# KiCad board control.kicad_pcb (continued)
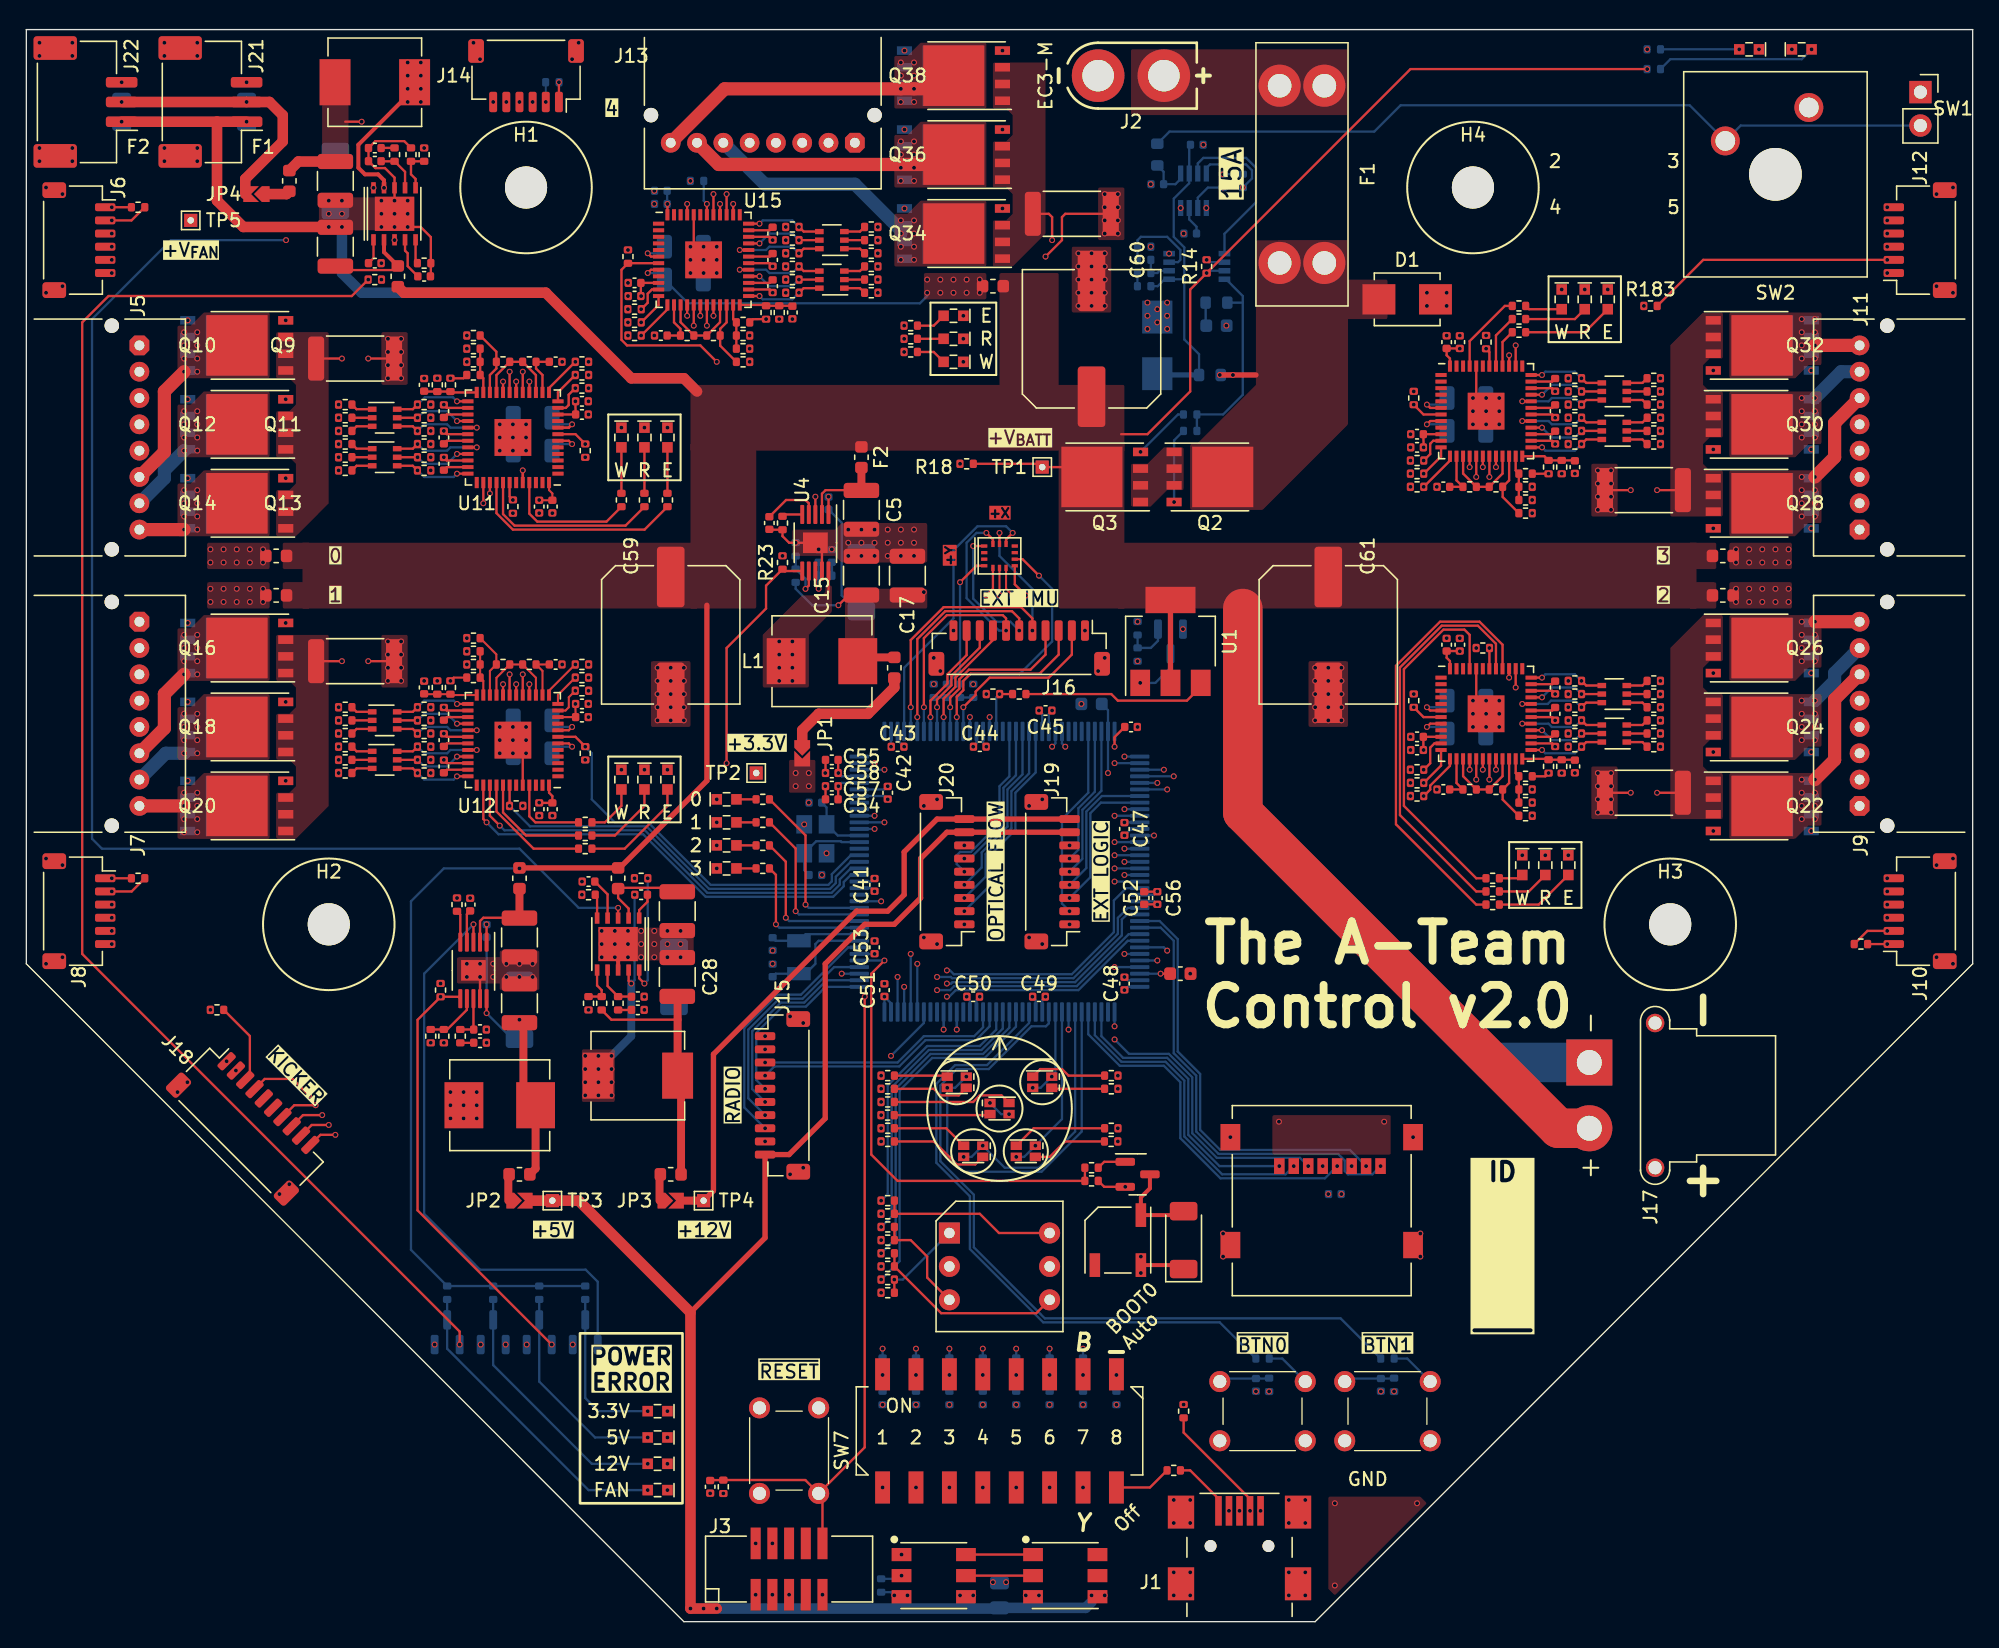
[diagram p0: board, top side]
## Routing (per net, layer and track width the routed paths; a pad name or vN(x,y) marks a point on that pad's centre or on a via; arc(x,y) is an arc through that point) (continued)
Net-(D46C-A): length 1.7
  Top w0.175: D46.3 63.39,105.65 R229.1
Net-(D46C-K): length 5.8
  Top w0.175: U15.36 v1(55.75,106.25) ; R228.1 59.11,105.65 D46.4
  Bottom w0.175: v1(55.75,106.25) 56,106.5 58.25,106.5 v1(58.75,106)
Net-(D47A-A): length 1.7
  Top w0.175: R234.1 63.39,101.35 D47.1
Net-(D47A-K): length 5.8
  Top w0.175: U15.25 v1(55.75,100.75) ; D47.6 59.11,101.35 R235.1
  Bottom w0.175: v1(55.75,100.75) 56,100.5 58.25,100.5 v1(58.75,101)
Net-(D47B-A): length 1.5
  Top w0.175: D47.2 R237.1
Net-(D47B-K): length 5.9
  Top w0.175: U15.28 v1(55.75,102.25) ; D47.5 R236.1
  Bottom w0.175: v1(58.75,102) 58.25,101.5 56.5,101.5 v1(55.75,102.25)
Net-(D47C-A): length 1.7
  Top w0.175: R230.1 63.39,102.65 D47.3
Net-(D47C-K): length 7.2
  Top w0.175: R231.1 59.11,102.65 D47.4 ; U15.29 v1(54.25,102.75)
  Bottom w0.175: v1(54.25,102.75) 56.25,102.75 56.5,102.5 58.25,102.5 v1(58.75,103)
Net-(JP1-A): length 10
  Top w0.8: JP1.1 59,67.75 60.25,69 64,69 66,71 F4.2
Net-(JP2-A): length 2
  Top w0.6: F5.2 36.65,33.94 JP2.1
Net-(JP3-A): length 2
  Top w0.6: JP3.1 48.15,33.94 F8.2
Net-(JP4-A): length 1.7
  Top w0.8: JP4.1 19.79,108.5 F9.2
Net-(Q1-D): length 3.8
  Bottom w0.175: Q1.3 87,72.5 85.85,71.35 v1(84.7,71.35)
Net-(Q1-G): length 3.6
  Bottom w0.175: Q1.1 86.05,74.55 85.51,74.01 R2.1 R3.1
Net-(Q2-G): length 5.7
  Bottom w0.175: v1(87.28,85.09) 87.28,89.78 R12.1
Net-(Q3-G): length 4.4
  Bottom w0.175: v1(84.72,88.91) 87.57,91.75 R13.2
Net-(Q4-G): length 2.2
  Top w0.175: Q4.1 81.96,34.95 R40.2
Net-(Q9-G): length 23.9
  In1.Cu w0.175: v1(30.75,92.5) 30.25,93 24.25,93 v1(23.75,92.5) 20.5,95.75 20.5,99 20,99.5 12.87,99.5 v1(12.27,98.91)
Net-(Q10-G): length 16.5
  In1.Cu w0.175: v1(19.73,98.91) 19.73,95.53 v1(23.75,91.5) 24.25,92 30.25,92 v1(30.75,91.5)
Net-(Q11-G): length 20.4
  In1.Cu w0.175: v1(30.75,90.5) 30.25,91 24.25,91 v1(23.75,90.5) 20.75,93.5 12.87,93.5 v1(12.27,92.91)
Net-(Q12-G): length 12.8
  In1.Cu w0.175: v1(19.73,92.91) 20.34,92.91 v1(23.75,89.5) 24.25,89 30.25,89 v1(30.75,89.5)
Net-(Q13-G): length 19.5
  In1.Cu w0.175: v1(30.75,88.5) 30.25,88 24.25,88 v1(23.75,88.5) 22.75,87.5 12.87,87.5 v1(12.27,86.91)
Net-(Q14-G): length 11.7
  In1.Cu w0.175: v1(30.75,87.5) 30.25,87 24.25,87 v1(23.75,87.5) 23.16,86.91 v1(19.73,86.91)
Net-(Q15-G): length 24.2
  In1.Cu w0.175: v1(30.75,69.5) 30.25,70 24.25,70 v1(23.75,69.5) 23.25,69.5 20.5,72.25 20.5,76 20,76.5 12.87,76.5 v1(12.27,75.91)
Net-(Q16-G): length 16.8
  In1.Cu w0.175: v1(19.73,75.91) 19.73,72.03 23.25,68.5 v1(23.75,68.5) 24.25,69 30.25,69 v1(30.75,68.5)
Net-(Q17-G): length 20.4
  In1.Cu w0.175: v1(30.75,67.5) 30.25,68 24.25,68 v1(23.75,67.5) 23.25,67.5 20.25,70.5 12.87,70.5 v1(12.27,69.91)
Net-(Q18-G): length 12.8
  In1.Cu w0.175: v1(19.73,69.91) 23.13,66.5 v1(23.75,66.5) 24.25,66 30.25,66 v1(30.75,66.5)
Net-(Q19-G): length 19.5
  In1.Cu w0.175: v1(12.27,63.91) 12.87,64.5 22.75,64.5 v1(23.75,65.5) 24.25,65 30.25,65 v1(30.75,65.5)
Net-(Q20-G): length 11.7
  In1.Cu w0.175: v1(30.75,64.5) 30.25,64 24.25,64 v1(23.75,64.5) 23.25,64 19.82,64 v1(19.73,63.91)
Net-(Q21-G): length 23.9
  In1.Cu w0.175: v1(117.25,66.5) 117.75,66 123.75,66 v1(124.25,66.5) 127.75,63 127.75,59.75 128,59.5 135.13,59.5 v1(135.72,60.09)
Net-(Q22-G): length 16.5
  In1.Cu w0.175: v1(117.25,67.5) 117.75,67 123.75,67 v1(124.25,67.5) 128.28,63.47 v1(128.28,60.09)
Net-(Q23-G): length 20.4
  In1.Cu w0.175: v1(117.25,68.5) 117.75,68 123.75,68 v1(124.25,68.5) 127.25,65.5 135.13,65.5 v1(135.72,66.09)
Net-(Q24-G): length 12.8
  In1.Cu w0.175: v1(117.25,69.5) 117.75,70 123.75,70 v1(124.25,69.5) 127.66,66.09 v1(128.28,66.09)
Net-(Q25-G): length 19.5
  In1.Cu w0.175: v1(135.72,72.09) 134.13,70.5 v1(124.25,70.5) 123.75,71 117.75,71 v1(117.25,70.5)
Net-(Q26-G): length 11.7
  In1.Cu w0.175: v1(128.28,72.09) 127.68,71.5 v1(124.25,71.5) 123.75,72 117.75,72 v1(117.25,71.5)
Net-(Q27-G): length 23.9
  In1.Cu w0.175: v1(135.72,83.09) 135.13,82.5 128,82.5 127.25,83.25 127.25,86.5 v1(124.25,89.5) 123.75,89 117.75,89 v1(117.25,89.5)
Net-(Q28-G): length 16.5
  In1.Cu w0.175: v1(128.28,83.09) 128.28,86.47 v1(124.25,90.5) 123.75,90 117.75,90 v1(117.25,90.5)
Net-(Q29-G): length 20.4
  In1.Cu w0.175: v1(135.72,89.09) 135.13,88.5 128,88.5 125,91.5 v1(124.25,91.5) 123.75,91 117.75,91 v1(117.25,91.5)
Net-(Q30-G): length 12.8
  In1.Cu w0.175: v1(117.25,92.5) 117.75,93 123.75,93 v1(124.25,92.5) 124.87,92.5 v1(128.28,89.09)
Net-(Q31-G): length 19.5
  In1.Cu w0.175: v1(135.72,95.09) 134.13,93.5 v1(124.25,93.5) 123.75,94 117.75,94 v1(117.25,93.5)
Net-(Q32-G): length 11.7
  In1.Cu w0.175: v1(117.25,94.5) 117.75,95 123.75,95 v1(124.25,94.5) 124.84,95.09 v1(128.28,95.09)
Net-(Q33-G): length 14.7
  In1.Cu w0.175: v1(66.78,107.41) 66.66,107.41 65.85,106.6 65.85,102.09 R234.2 ; v1(64.75,101) 64.25,100.5 58.25,100.5 v1(57.75,101)
Net-(Q34-G): length 19.1
  In1.Cu w0.175: v1(64.75,102) 64.25,101.5 58.25,101.5 v1(57.75,102)
  In4.Cu w0.175: v1(64.75,102) 67.5,102 72.91,107.41 v1(74.22,107.41)
Net-(Q35-G): length 18.7
  In1.Cu w0.175: v1(57.75,103) 58.25,102.5 64.25,102.5 v1(64.75,103) 65.55,103.8 65.55,112.3 66.66,113.41 v1(66.78,113.41)
Net-(Q36-G): length 24.3
  In1.Cu w0.175: v1(57.75,104) 58.25,104.5 64.25,104.5 v1(64.75,104)
  In4.Cu w0.175: v1(74.22,113.41) 74.22,109.22 67.75,102.75 66,102.75 v1(64.75,104)
Net-(Q37-G): length 22.7
  In1.Cu w0.175: v1(57.75,105) 58.25,105.5 64.25,105.5 v1(64.75,105) 65.25,105.5 65.25,112.43 66,113.18 66,118.75 66.66,119.41 v1(66.78,119.41)
Net-(Q38-G): length 25.3
  In1.Cu w0.175: v1(64.75,106) 64.25,106.5 58.25,106.5 v1(57.75,106)
  In4.Cu w0.175: v1(64.75,106) 64.75,106.25 67,108.5 68,108.5 73.25,113.75 73.25,118.43 v1(74.22,119.41)
Net-(R7-Pad2): length 1
  Bottom w0.175: R8.1 R7.2
Net-(R11-Pad2): length 60.8
  Bottom w0.175: SW1.2 130.36,113.71 SW2.2 126.48,115.25 104.5,115.25 102.5,113.25 86.92,113.25 R11.2
Net-(R66-Pad2): length 6.7
  Top w0.175: R66.2 v1(66,26) R71.1
  Bottom w0.175: v1(66,26) 66.65,26 SW3.1
Net-(R67-Pad1): length 3.5
  Bottom w0.175: R67.1 95.5,20 SW4.2
Net-(R73-Pad1): length 3.5
  Bottom w0.175: SW5.2 105,20 R73.1
Net-(R74-Pad1): length 4.4
  Top w0.175: SW6.8 85.44,10.2 R74.1
Net-(R76-Pad2): length 1.5
  Bottom w0.175: R76.2 R83.1
  vias: v1(65.11,18.75)
Net-(R77-Pad2): length 1.5
  Bottom w0.175: R77.2 R84.1
  vias: v1(67.65,18.75)
Net-(R78-Pad2): length 1.5
  Bottom w0.175: R78.2 R85.1
  vias: v1(70.19,18.75)
Net-(R79-Pad2): length 1.5
  Bottom w0.175: R79.2 R86.1
  vias: v1(72.73,18.75)
Net-(R80-Pad2): length 1.5
  Bottom w0.175: R80.2 R87.1
  vias: v1(75.27,18.75)
Net-(R81-Pad2): length 1.5
  Bottom w0.175: R81.2 R88.1
  vias: v1(77.81,18.75)
Net-(R82-Pad2): length 1.5
  Bottom w0.175: R82.2 R89.1
  vias: v1(80.35,18.75)
Net-(SW3-2): length 14.7
  Top w0.175: SW3.4 76.8,23.45 69.56,23.45 R65.2 R70.1
Net-(SW3-4): length 8
  Top w0.175: SW3.3 68.5,26.15 68.5,27.75 67.25,29 R64.2 R69.1
Net-(SW3-8): length 13.4
  Top w0.175: SW3.6 73.96,29.54 72.5,31 R63.2 R68.1
Net-(U1-OUT): length 14.2
  Top w0.175: R4.1 82.5,70.5 83,70 88.25,70 89.3,71.05 U1.3
Net-(U2-GATE): length 16
  Bottom w0.175: U2.8 91.22,102.03 92.5,100.75 92.5,100.25 ; R15.1 92.5,100.25 ; 92.5,100.25 92.5,93.25 91,91.75 R13.1 R12.2
Net-(U2-OV): length 7
  Bottom w0.175: R9.2 R10.1 84.49,104.99 84.75,105.25 86.75,105.25 87.75,104.25 87.75,103.5 87.58,103.33 U2.3
Net-(U2-UV): length 2.5
  Bottom w0.175: U2.2 86.17,102.67 86,102.5 R8.2 R9.1
Net-(U2-~{SHDN}): length 13.2
  Bottom w0.175: U3.7 89.08,110.83 89.5,111.25 92.75,111.25 93.5,110.5 93.5,107.88 91.11,105.48 U2.5
Net-(U3-TMR): length 2.2
  Bottom w0.175: U3.3 88.42,106.58 88.98,106.02 C3.1
Net-(U3-~{PB}): length 3.5
  Bottom w0.175: U3.5 87.78,109.65 87.38,109.25 C2.1 86.48,110.19 R11.1
Net-(U4-BOOT): length 1.3
  Top w0.175: v1(61,85.5) U4.1
Net-(U4-COMP): length 3.5
  Top w0.175: v1(60.25,78.5) 60,78.75 U4.8
  Bottom w0.175: C7.1 60.24,80.51 R19.1 60.24,78.51 v1(60.25,78.5)
Net-(U4-RT/CLK): length 1.6
  Top w0.175: U4.5 57.64,84.15 R21.1
Net-(U4-SS/TR): length 4.5
  Top w0.175: U4.4 59.5,85 59.25,85.25 57.77,85.25 C11.1
Net-(U4-VIN): length 6.4
  Top w0.175: C5.1 63.47,86 60.78,86 60.5,85.72 U4.2
  Top w0.6: F2.1 C5.1
Net-(U4-VSENSE): length 4.3
  Top w0.175: v1(59.25,78.49) 59.5,78.74 U4.7
  Bottom w0.175: v1(59.25,78.49) 59.25,79.26 R25.2 R26.1
Net-(U5-BOOT): length 1.3
  Top w0.175: U5.1 v1(35,53)
Net-(U5-COMP): length 3.4
  Top w0.175: R20.1 34.01,45.01 C8.1 34,45.02 U5.8
Net-(U5-RT/CLK): length 2.4
  Top w0.175: U5.5 33,53.74 R22.1
Net-(U5-SS/TR): length 2.5
  Top w0.175: C12.1 33.5,53.77 U5.4
Net-(U5-VIN): length 7
  Top w0.175: U5.2 34.5,53.25 34.75,53.5 37.47,53.5 C6.1
  Top w0.6: C6.1 F3.1
Net-(U5-VSENSE): length 4.2
  Top w0.175: R28.1 R27.2 32.01,45.01 33.5,46.5 U5.7
Net-(U6-BOOT): length 2
  Top w0.175: C26.1 47.23,54.71 46.6,54.08 U6.1
Net-(U6-COMP): length 3.4
  Top w0.175: C20.1 46.01,47.51 R29.1 44.2,48.31 U6.7
Net-(U6-FB): length 3.2
  Top w0.175: U6.6 43.4,48.35 43.75,48 R35.2 R36.1
Net-(U6-RT/CLK): length 1.8
  Top w0.175: R31.1 43.4,55.11 U6.5
Net-(U6-SS/TR): length 3.2
  Top w0.175: C24.1 44.2,55.28 U6.4
Net-(U6-VIN): length 7.3
  Top w0.175: U6.2 45.8,54.2 45,55 45,55.75 ; C18.1 49.2,55.77 45.06,55.77 F6.1
Net-(U7-BOOT): length 1.9
  Top w0.175: U7.1 26.4,103.63 C27.1
Net-(U7-COMP): length 3.4
  Top w0.175: C21.1 26.99,110.99 R30.1 28.8,110.19 U7.7
Net-(U7-FB): length 3.2
  Top w0.175: U7.6 29.6,109.65 29.25,110 R38.1 R37.2
Net-(U7-RT/CLK): length 1.8
  Top w0.175: R32.1 29.6,103.39 U7.5
Net-(U7-SS/TR): length 3.2
  Top w0.175: U7.4 28.8,104.2 29,104 29,103.02 C25.1
Net-(U7-VIN): length 7.4
  Top w0.175: F7.1 27.94,102.73 23.8,102.73 C19.1
  Top w0.3: U7.2 27.2,104.09 F7.1
Net-(U8-CKO): length 5.1
  Top w0.175: U8.5 U9.2
Net-(U8-SDO): length 5.1
  Top w0.175: U9.1 U8.6
Net-(U10A-PH0/OSC_IN): length 6.4
  Bottom w0.175: U10.23 62,59.25 61.94,59.31 60.06,59.31 Y1.3 59.15,57.12 C37.1
Net-(U10A-PH1/OSC_OUT): length 4.6
  Bottom w0.175: U10.24 61.7,59.75 Y1.1 60.85,61.88 C35.1
Net-(U10C-PC14/OSC32_IN): length 8.6
  Bottom w0.175: C38.1 56.98,49.25 Y2.1 59.25,49.25 60,50 60,51.5 60.25,51.75 U10.8
Net-(U10C-PC15/OSC32_OUT): length 6.9
  Bottom w0.175: U10.9 59.25,52.25 Y2.2 56.98,51.75 C39.1
Net-(U11A-VREG12): length 2.9
  Top w0.175: U11.6 41.25,89.75 v1(41.5,89.5)
  Bottom w0.175: v1(41.5,89.5) 40.47,89.5 C67.1
Net-(U11C-VBOOTU): length 1.9
  Top w0.175: U11.35 31.98,87.75 C68.1
Net-(U11C-VBOOTV): length 1.9
  Top w0.175: C69.1 31.98,89.75 U11.31
Net-(U11C-VBOOTW): length 1.9
  Top w0.175: U11.27 31.98,91.75 C70.1
Net-(U11D-OP1N): length 5
  Top w0.175: U11.22 35.25,94.75 35.74,95.24 R104.1 35.74,96.52 R103.2
Net-(U11D-OP1P): length 3.4
  Top w0.175: R102.1 R101.2 R100.2 34.75,94.51 U11.23
Net-(U11E-OC_COMP): length 4
  Top w0.175: U11.24 32.31,93.42 R119.2 R120.2 30.28,93.49 C72.1
Net-(U12A-VREG12): length 2.9
  Top w0.175: v1(41.5,66.5) 41.25,66.75 U12.6
  Bottom w0.175: C78.1 40.47,66.5 v1(41.5,66.5)
Net-(U12C-VBOOTU): length 1.9
  Top w0.175: C79.1 31.98,64.75 U12.35
Net-(U12C-VBOOTV): length 1.9
  Top w0.175: U12.31 31.98,66.75 C80.1
Net-(U12C-VBOOTW): length 1.9
  Top w0.175: U12.27 31.98,68.75 C81.1
Net-(U12D-OP1N): length 5
  Top w0.153: U12.22 35.25,72.26 R134.1 35.74,73.52 R133.2
Net-(U12D-OP1P): length 3.4
  Top w0.153: R132.1 R131.2 R130.2 34.75,71.51 U12.23
Net-(U12E-OC_COMP): length 4
  Top w0.153: C83.1 30.28,70.49 R150.2 R149.2 32.31,70.42 U12.24
Net-(U13A-VREG12): length 2.9
  Top w0.175: U13.6 106.75,69.25 v1(106.5,69.5)
  Bottom w0.175: v1(106.5,69.5) 107.53,69.5 C89.1
Net-(U13C-VBOOTU): length 1.9
  Top w0.175: C90.1 116.02,71.25 U13.35
Net-(U13C-VBOOTV): length 1.9
  Top w0.175: C91.1 116.02,69.25 U13.31
Net-(U13C-VBOOTW): length 1.9
  Top w0.175: C92.1 116.02,67.25 U13.27
Net-(U13D-OP1N): length 5
  Top w0.175: U13.22 112.75,63.74 R164.1 112.26,62.48 R163.2
Net-(U13D-OP1P): length 3.4
  Top w0.175: R162.1 R161.2 R160.2 113.25,64.49 U13.23
Net-(U13E-OC_COMP): length 4
  Top w0.175: C94.1 117.72,65.51 R180.2 R179.2 115.69,65.58 U13.24
Net-(U14A-VREG12): length 2.9
  Top w0.175: v1(106.5,92.5) 106.75,92.25 U14.6
  Bottom w0.175: C100.1 107.53,92.5 v1(106.5,92.5)
Net-(U14C-VBOOTU): length 1.9
  Top w0.175: C101.1 116.02,94.25 U14.35
Net-(U14C-VBOOTV): length 1.9
  Top w0.175: C102.1 116.02,92.25 U14.31
Net-(U14C-VBOOTW): length 1.9
  Top w0.175: U14.27 116.02,90.25 C103.1
Net-(U14D-OP1N): length 5
  Top w0.175: U14.22 112.75,86.74 R194.1 112.26,85.48 R193.2
Net-(U14D-OP1P): length 3.4
  Top w0.175: R192.1 R191.2 R190.2 113.25,87.49 U14.23
Net-(U14E-OC_COMP): length 4.1
  Top w0.175: C105.1 117.72,88.26 R210.2 R209.2 115.44,88.58 U14.24
Net-(U15A-VREG12): length 2.4
  Top w0.175: v1(47.25,104) 47.5,103.75 U15.6
  Bottom w0.175: v1(47.25,104) 48.03,104 C111.1
Net-(U15C-VBOOTU): length 1.9
  Top w0.175: C112.1 56.52,105.75 U15.35
Net-(U15C-VBOOTV): length 1.9
  Top w0.175: U15.31 56.52,103.75 C113.1
Net-(U15C-VBOOTW): length 1.9
  Top w0.175: U15.27 56.52,101.75 C114.1
Net-(U15D-OP1N): length 5
  Top w0.175: R223.2 52.76,96.98 R224.1 52.76,98.26 53.25,98.75 U15.22
Net-(U15D-OP1P): length 3.4
  Top w0.175: R222.1 R221.2 R220.2 53.75,98.99 U15.23
Net-(U15E-OC_COMP): length 4
  Top w0.175: U15.24 56.19,100.08 R239.2 R240.2 58.22,100.01 C116.1
Net-(U16-INT1): length 10.5
  Top w0.175: v1(71,79) 72.25,80.25 U16.4
  Bottom w0.175: R243.1 71,72.26 v1(71,79)
Net-(U16-INT2): length 16.1
  Top w0.175: v1(77,79.5) 75.75,80.75 U16.9
  Bottom w0.175: R244.1 71.74,72 75.5,72 78,74.5 78,78.5 v1(77,79.5)

## Copper pours and planes (outline as drawn; the poured copper is in the pictures)
+3.3V on Top: 58,65.5 58,63 60,63 60,65.5
+3.3V on In3.Cu: 1,120 147,120 147,50 98,1 50,1 1,50
+3.3V_{PREFUSE} on Top: 62.25,78.5 68.5,78.5 68.5,77 64.5,77 64.5,71.5 62.25,71.5
+5V on Bottom: 80.5,2.5 82.5,2.5 82.5,1 80.5,1
+5V on Bottom: 70.5,2.5 72.5,2.5 72.5,1 70.5,1
GND on Top: 79.5,99.5 82.5,99.5 82.5,104.5 79.5,104.5
GND on Top: 68.5,83.5 68.5,80.5 62,80.5 61.5,81 58.25,81 58.25,83 61.5,83 62,83.5
GND on Top: 97.5,68 100.5,68 100.5,73 97.5,73
GND on Top: 27,94 29,94 29,98 27,98
GND on Top: 94.75,35.5 103.75,35.5 103.75,38.5 94.75,38.5
GND on Top: 43.5,52.75 50.75,52.75 50.75,50.25 43.5,50.25
GND on Top: 119,61 121,61 121,65 119,65
GND on Top: 119,84 121,84 121,88 119,88
GND on Top: 47.5,68 50.5,68 50.5,73 47.5,73
GND on Top: 83.5,109 81.5,109 81.5,105 83.5,105
GND on Top: 39,51 39,48 36,48 36,48.5 32.75,48.5 32.75,50.5 36,50.5 36,51
GND on Top: 27,71 29,71 29,75 27,75
GND on Top, Bottom: 29.5,105.75 22.25,105.75 22.25,108.25 29.5,108.25
GND on Top, Bottom: 106.5,9 106,9.5 99,9.5 99,2.5 99.5,2
GND on Bottom: 55.5,77 50.5,77 50.5,89.5 55.5,89.5
GND on Bottom: 51,77 25,77 25,82 51,82
GND on Bottom: 83.5,77 78.5,77 78.5,89.5 83.5,89.5
GND on Bottom: 100.5,68 97.5,68 97.5,82 100.5,82
GND on Bottom: 121,86 123,84 123,65 121,63 121,61 119,61 119,88 121,88
GND on Bottom: 24.75,108.25 22.25,108.25 22.25,105.75 24.75,105.75
GND on Bottom: 50.5,52.75 48,52.75 48,50.25 50.5,50.25
GND on Bottom: 29,98 29,71 27,71 27,73 25,75 25,94 27,96 27,98
GND on Bottom: 83.5,89 50.5,89 50.5,94 83.5,94
GND on Bottom: 123,77 83,77 83,82 123,82
GND on Bottom: 83.5,93.5 83.5,119.5 78.5,119.5 78.5,93.5
GND on Bottom: 50.5,68 47.5,68 47.5,82 50.5,82
GND on In2.Cu: 1,120 147,120 147,50 98,1 50,1 1,50
+V_{BATT(FUSED)} on Top: 93.5,94 89,89.5 88.5,89.5 88.5,84.5 94,84.5 100.5,91 100.5,105.01 93.5,104.99
+V_{BATT(FUSED)} on Top: 100,102 100,99 103.5,99 103.5,102
+V_{BATT(PROTECTED)} on Top: 83,77 127,77 127,82 83,82
+V_{BATT(PROTECTED)} on Top: 83.5,77 83.5,89.5 78.5,89.5 78.5,77
+V_{BATT(PROTECTED)} on Top: 74,102.5 74,93.5 78.5,93.5 78.5,102.5
+V_{BATT(PROTECTED)} on Top: 126.5,77 128.5,77 128.5,79 126.5,79
+V_{BATT(PROTECTED)} on Top: 50.5,89 83.5,89 83.5,94 50.5,94
+V_{BATT(PROTECTED)} on Top: 126.5,82 128.5,82 128.5,80 126.5,80
+V_{BATT(PROTECTED)} on Top: 21,77 51,77 51,82 21,82
+V_{BATT(PROTECTED)} on Top: 50.5,89.5 50.5,77 55.5,77 55.5,89.5
+V_{BATT(PROTECTED)} on Top: 21.5,77 19.5,77 19.5,79 21.5,79
+V_{BATT(PROTECTED)} on Top: 21.5,82 19.5,82 19.5,80 21.5,80
+V_{BATT(RAW)} on Top, Bottom, In1.Cu, In4.Cu: 84,119.5 84,114.5 100.5,114.5 100.5,119.5
/Motors/MotorBL/I_{SENSE(RAW)} on Top: 19,75 23,75 23,62 20.5,59.5 19,59.5 19,63 20,63 20.5,63.5 20.5,65 20,65.5 19,65.5 19,69 20,69 20.5,69.5 20.5,71 20,71.5 19,71.5
/Motors/MotorBL/MOTOR_{U} on Top: 11.5,63.5 11.5,59.5 18.5,59.5 18.5,64.5 13.5,64.5 12.5,63.5
/Motors/MotorBL/MOTOR_{U} on Bottom: 13.25,59.5 11.5,59.5 11.5,63.25 13.25,63.25
/Motors/MotorBL/MOTOR_{V} on Top: 11.5,69.5 11.5,65.5 18.5,65.5 18.5,70.5 13.5,70.5 12.5,69.5
/Motors/MotorBL/MOTOR_{V} on Bottom: 13.25,65.5 11.5,65.5 11.5,69.25 13.25,69.25
/Motors/MotorBL/MOTOR_{W} on Top: 11.5,75.5 11.5,71.5 18.5,71.5 18.5,76.5 13.5,76.5 12.5,75.5
/Motors/MotorBL/MOTOR_{W} on Bottom: 13.25,71.5 11.5,71.5 11.5,75.25 13.25,75.25
/Motors/MotorBL/V_{MOTOR} on Top: 18.5,79 18.5,77 13.75,77 13.75,79
/Motors/MotorBL/V_{MOTOR} on Bottom: 13.75,79 13.75,59.5 18.5,59.5 18.5,79
/Motors/MotorBR/I_{SENSE(RAW)} on Top: 129,61 125,61 125,74 127.5,76.5 129,76.5 129,73 128,73 127.5,72.5 127.5,71 128,70.5 129,70.5 129,67 128,67 127.5,66.5 127.5,65 128,64.5 129,64.5
/Motors/MotorBR/MOTOR_{U} on Top: 136.5,72.5 136.5,76.5 129.5,76.5 129.5,71.5 134.5,71.5 135.5,72.5
/Motors/MotorBR/MOTOR_{U} on Bottom: 134.75,76.5 136.5,76.5 136.5,72.75 134.75,72.75
/Motors/MotorBR/MOTOR_{V} on Top: 136.5,66.5 136.5,70.5 129.5,70.5 129.5,65.5 134.5,65.5 135.5,66.5
/Motors/MotorBR/MOTOR_{V} on Bottom: 134.75,70.5 136.5,70.5 136.5,66.75 134.75,66.75
/Motors/MotorBR/MOTOR_{W} on Top: 136.5,60.5 136.5,64.5 129.5,64.5 129.5,59.5 134.5,59.5 135.5,60.5
/Motors/MotorBR/MOTOR_{W} on Bottom: 134.75,64.5 136.5,64.5 136.5,60.75 134.75,60.75
/Motors/MotorBR/V_{MOTOR} on Top: 129.5,77 134.25,77 134.25,79 129.5,79
/Motors/MotorBR/V_{MOTOR} on Bottom: 134.25,59.5 129.5,59.5 129.5,79 134.25,79
/Motors/MotorDRB/I_{SENSE(RAW)} on Top: 73.5,118.5 77.5,118.5 77.5,105.5 75,103 73.5,103 73.5,106.5 74.5,106.5 75,107 75,108.5 74.5,109 73.5,109 73.5,112.5 74.5,112.5 75,113 75,114.5 74.5,115 73.5,115
/Motors/MotorDRB/MOTOR_{U} on Top: 66,119 66,115 73,115 73,120 68,120 67,119
/Motors/MotorDRB/MOTOR_{U} on Bottom: 66,118.75 67.75,118.75 67.75,115 66,115
/Motors/MotorDRB/MOTOR_{V} on Top: 66,113 66,109 73,109 73,114 68,114 67,113
/Motors/MotorDRB/MOTOR_{V} on Bottom: 66,112.75 67.75,112.75 67.75,109 66,109
/Motors/MotorDRB/MOTOR_{W} on Top: 66,107 66,103 73,103 73,108 68,108 67,107
/Motors/MotorDRB/MOTOR_{W} on Bottom: 66,106.75 67.75,106.75 67.75,103 66,103
/Motors/MotorDRB/V_{MOTOR} on Top: 73,102.5 73,100.5 68.25,100.5 68.25,102.5
/Motors/MotorDRB/V_{MOTOR} on Bottom: 73,100.5 73,120 68.25,120 68.25,100.5
/Motors/MotorFL/I_{SENSE(RAW)} on Top: 19,98 23,98 23,85 20.5,82.5 19,82.5 19,86 20,86 20.5,86.5 20.5,88 20,88.5 19,88.5 19,92 20,92 20.5,92.5 20.5,94 20,94.5 19,94.5
/Motors/MotorFL/MOTOR_{U} on Top: 11.5,86.5 11.5,82.5 18.5,82.5 18.5,87.5 13.5,87.5 12.5,86.5
/Motors/MotorFL/MOTOR_{U} on Bottom: 13.25,82.5 11.5,82.5 11.5,86.25 13.25,86.25
/Motors/MotorFL/MOTOR_{V} on Top: 11.5,92.5 11.5,88.5 18.5,88.5 18.5,93.5 13.5,93.5 12.5,92.5
/Motors/MotorFL/MOTOR_{V} on Bottom: 13.25,88.5 11.5,88.5 11.5,92.25 13.25,92.25
/Motors/MotorFL/MOTOR_{W} on Top: 11.5,98.5 11.5,94.5 18.5,94.5 18.5,99.5 13.5,99.5 12.5,98.5
/Motors/MotorFL/MOTOR_{W} on Bottom: 13.25,94.5 11.5,94.5 11.5,98.25 13.25,98.25
/Motors/MotorFL/V_{MOTOR} on Top: 18.5,82 13.75,82 13.75,80 18.5,80
/Motors/MotorFL/V_{MOTOR} on Bottom: 13.75,99.5 18.5,99.5 18.5,80 13.75,80
/Motors/MotorFR/I_{SENSE(RAW)} on Top: 129,84 125,84 125,97 127.5,99.5 129,99.5 129,96 128,96 127.5,95.5 127.5,94 128,93.5 129,93.5 129,90 128,90 127.5,89.5 127.5,88 128,87.5 129,87.5
/Motors/MotorFR/MOTOR_{U} on Top: 136.5,95.5 136.5,99.5 129.5,99.5 129.5,94.5 134.5,94.5 135.5,95.5
/Motors/MotorFR/MOTOR_{U} on Bottom: 134.75,99.5 136.5,99.5 136.5,95.75 134.75,95.75
/Motors/MotorFR/MOTOR_{V} on Top: 136.5,89.5 136.5,93.5 129.5,93.5 129.5,88.5 134.5,88.5 135.5,89.5
/Motors/MotorFR/MOTOR_{V} on Bottom: 134.75,93.5 136.5,93.5 136.5,89.75 134.75,89.75
/Motors/MotorFR/MOTOR_{W} on Top: 136.5,83.5 136.5,87.5 129.5,87.5 129.5,82.5 134.5,82.5 135.5,83.5
/Motors/MotorFR/MOTOR_{W} on Bottom: 134.75,87.5 136.5,87.5 136.5,83.75 134.75,83.75
/Motors/MotorFR/V_{MOTOR} on Top: 129.5,80 134.25,80 134.25,82 129.5,82
/Motors/MotorFR/V_{MOTOR} on Bottom: 134.25,80 129.5,80 129.5,99.5 134.25,99.5
Net-(C29-Pad1) on Top: 24.5,110.5 24.5,118.5 22.5,118.5 22.5,110.5
Net-(D3-K) on Top: 56,75 59,78 60.5,78 60.75,78.25 60.75,78.75 61.25,78.75 61.25,76.75 59.5,75 59.5,71 56,71
Net-(D3-K) on Bottom: 56,76.5 62,76.5 62.5,77 64.5,77 64.5,71 56,71
Net-(D4-K) on Bottom: 36.5,44.5 38.5,44.5 38.5,37.25 31.5,37.25 31.5,41.25 33.25,41.25
Net-(D5-K) on Top: 42.25,43.5 44.75,43.5 44.75,39.5 42.25,39.5
Net-(D5-K) on Bottom: 50.5,47.75 48,47.75 48,46.5 47,45.5 42.25,45.5 42.25,39.5 50.5,39.5
Net-(D6-K) on Bottom: 30.5,119 22,119 22,111 25,111 25,115 30.5,115
Net-(Q2-S-Pad1) on Top: 84,84.75 85.5,84.75 86.75,86 88,86 88,89.25 86.5,89.25 85.25,88 84,88

## Text on the board
B.Silkscreen: +V_{FAN} | 0 | 1 | +5V | 4 | +12V | +3.3V | V | 2 | +V_{BATT} | 3 | 5 | 3V3 / H3 / H1 / H2 / GND / M_{W} / M_{V} / M_{U} | M_{U} / M_{V} / M_{W} / GND / H2 / H1 / H3 / 3V3
Top: +X | +Y
F.Silkscreen: F2 | F1 | +V_{FAN} | 0 | 1 | +5V | 4 | W | R | E | +12V | +3.3V | ~{RESET} | +V_{BATT} | EXT IMU | ~{BTN0} | ~{BTN1} | 2 | 3 | 5 | GND | 3.3V | 5V | 12V | FAN | BOOT0 / Auto | Off | RADIO | OPTICAL FLOW | EXT LOGIC | KICKER | POWER / ERROR | B | Y | 15A | ID / ____ | The A-Team / Control v2.0
